# Altium PCB bogo_board.PcbDoc (part 2 of 2)
Units mm, origin at the board's own origin, x right, y up, seen from the top; angles counter-clockwise.
Board outline 100 x 100 mm, 2 copper layers (Top Layer, Bottom Layer); 192 components, 142 nets, 497 pads, 187 vias.
Unrouted connection lines stored in the file: 41.
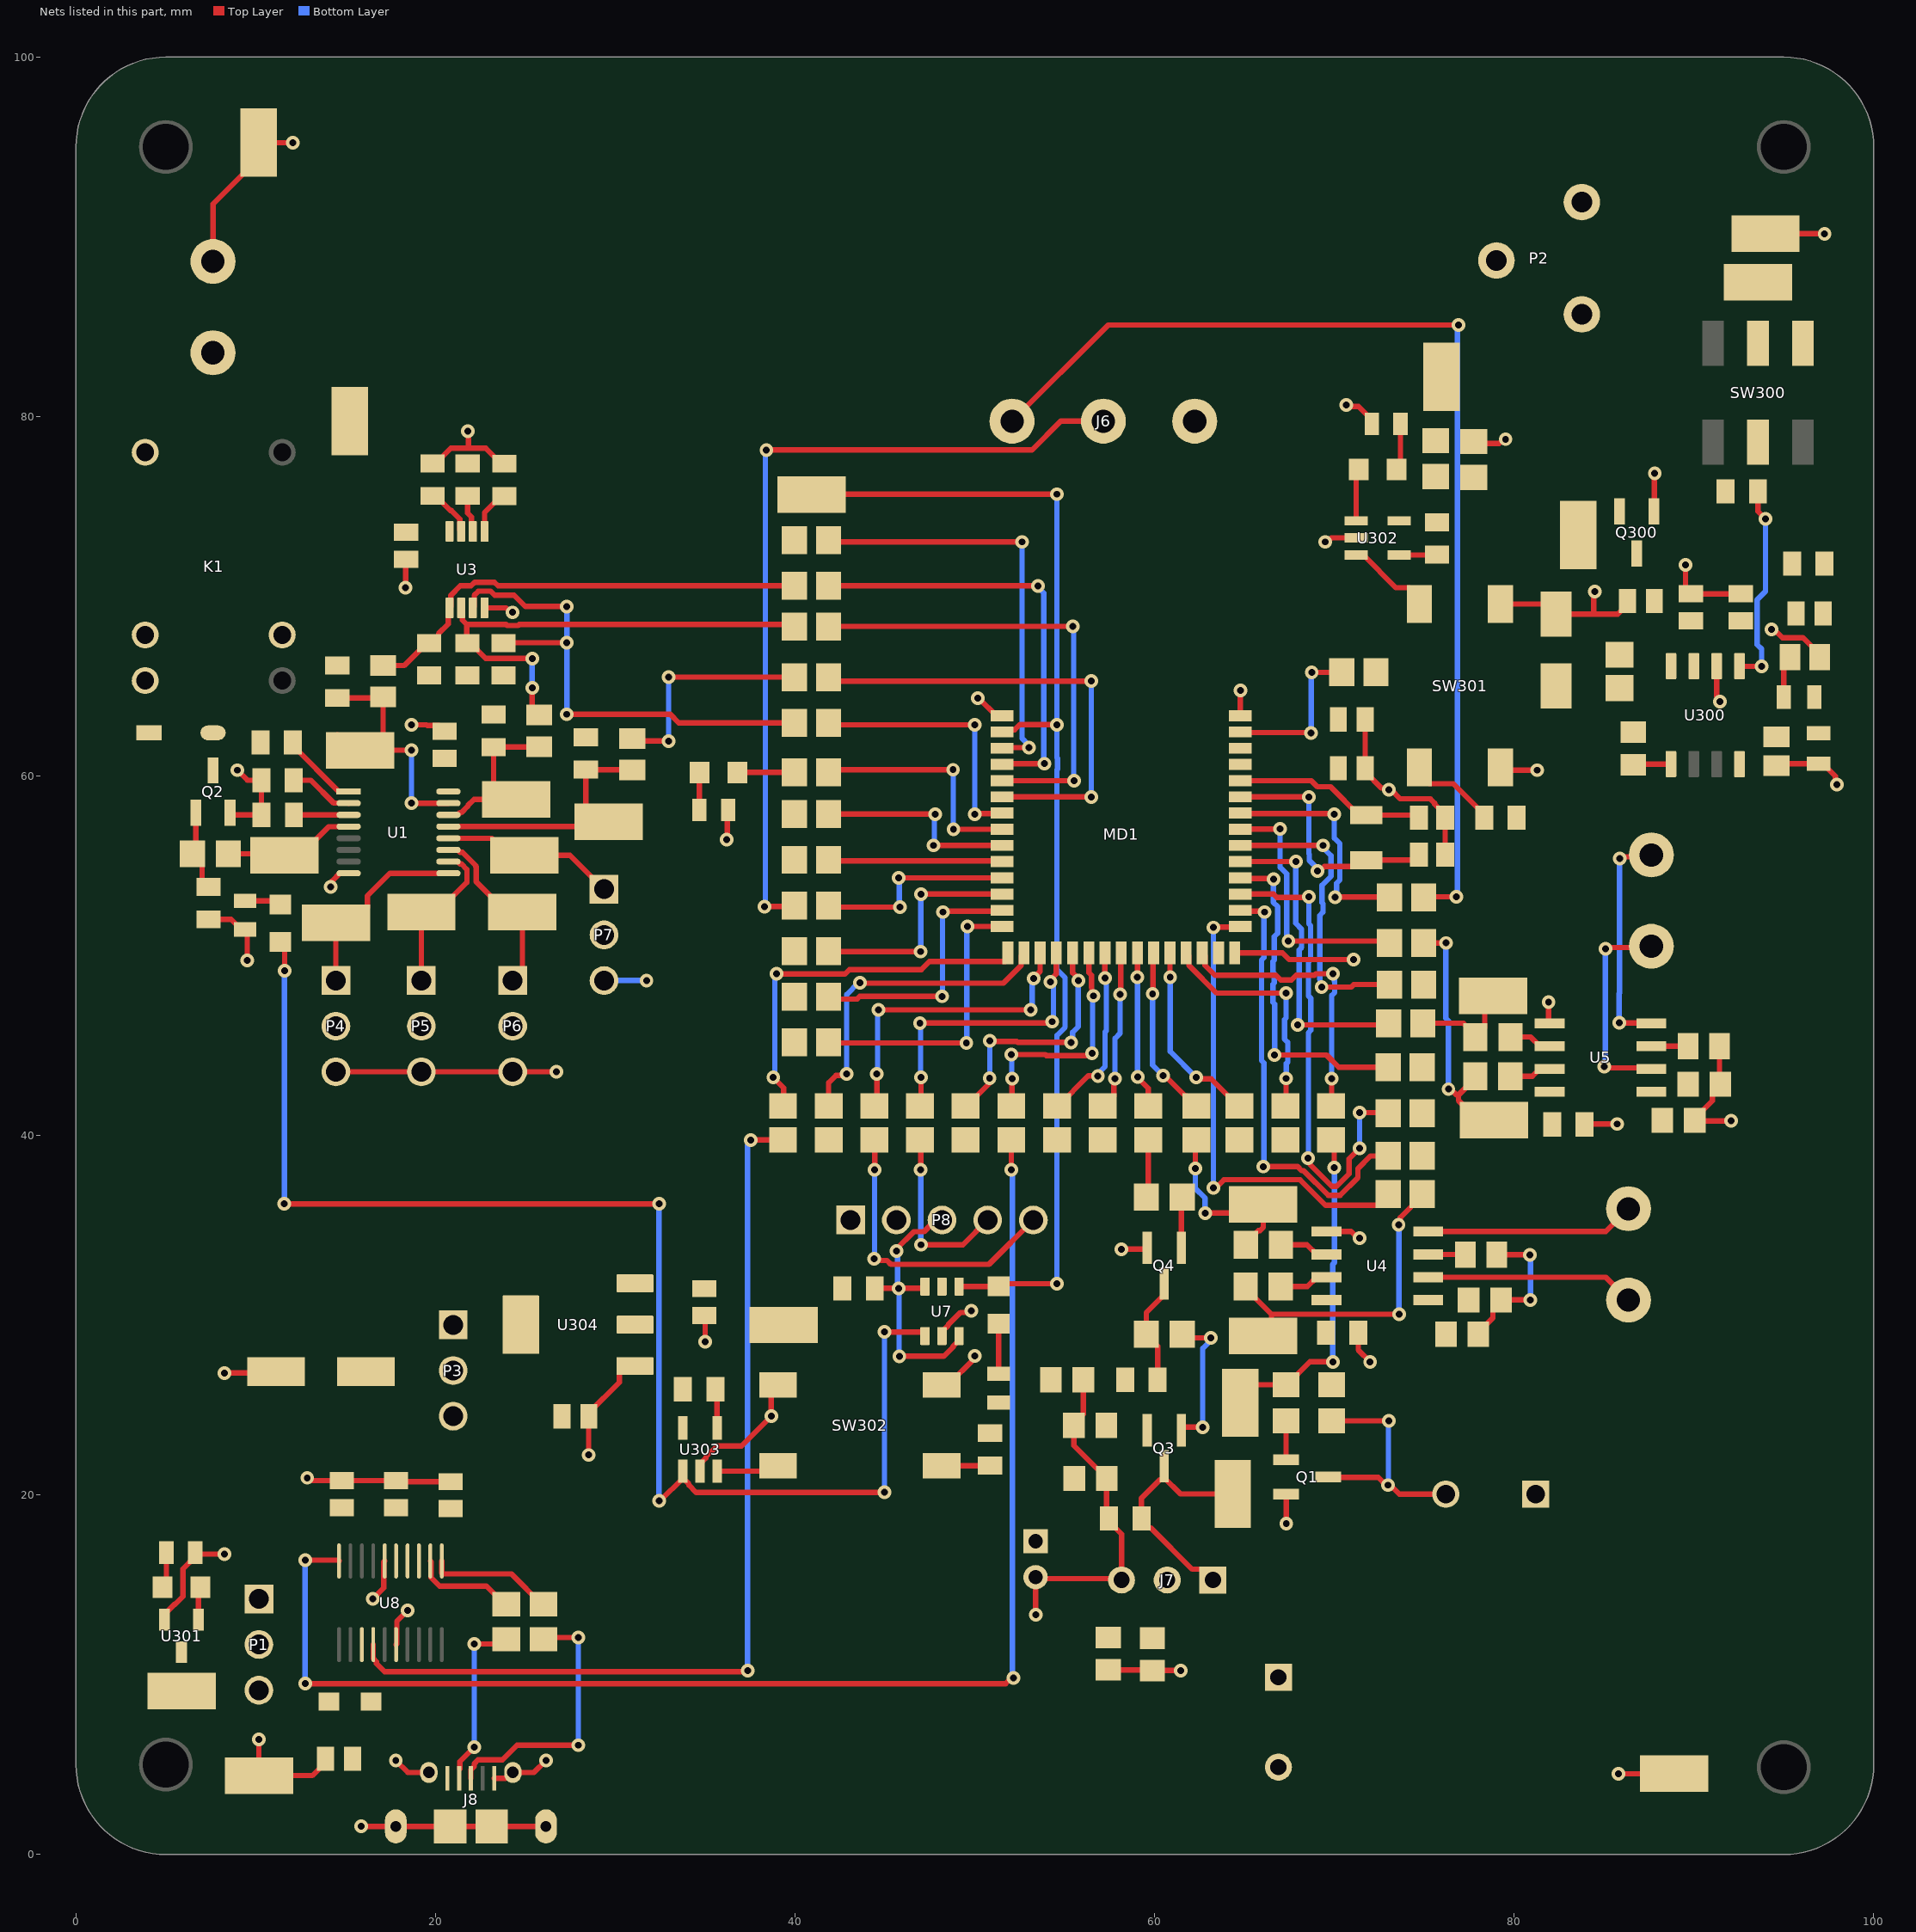
[diagram p2: the nets of this part, all layers, seen from the top]

## Part data (continued)
SW300: "C & K COMPONENTS - JS202011SCQN - SWITCH, DPDT, 0.6A, 6VDC, SMD", Actuator Color=Black, Contact Current Rating=300mA, Contact Resistance=70mR, Flammability Rating="UL94 V-2", Manufacturer 1="ITT C&K", Max Operating Temperature=85°C, Max Voltage Rating (DC)=6V, Min Operating Temperature=-20°C, Package Quantity=1, Supplier Part Number 1=401-2002-1-ND, Actuator Length=2mm, Actuator Material=Nylon,Polyamide,PA46, Actuator Type=Standard, Category="Slide Switches", ComponentLink1Description=https://datasheet.ciiva.com/2889/js-29aug13-2889127.pdf?src-supplier=Digi-Key, ComponentLink1URL=https://datasheet.ciiva.com/2889/js-29aug13-2889127.pdf?src-supplier=Digi-Key, ComponentLink2Description=https://datasheet.ciiva.com/23829/1707718-23829488.pdf?src-supplier=Newark, ComponentLink2URL=https://datasheet.ciiva.com/23829/1707718-23829488.pdf?src-supplier=Newark, ComponentLink3Description=https://datasheet.ciiva.com/8625/js-9dec14-8625470.pdf?src-supplier=Avnet, ComponentLink3URL=https://datasheet.ciiva.com/8625/js-9dec14-8625470.pdf?src-supplier=Avnet, ComponentLink4Description=https://datasheet.ciiva.com/2889/js-15sept15-2889128.pdf?src-supplier=Digi-Key, ComponentLink4URL=https://datasheet.ciiva.com/2889/js-15sept15-2889128.pdf?src-supplier=Digi-Key, ComponentLink5Description=https://datasheet.ciiva.com/2889/js-15sept15-2889129.pdf?src-supplier=Digi-Key, ComponentLink5URL=https://datasheet.ciiva.com/2889/js-15sept15-2889129.pdf?src-supplier=Digi-Key, ComponentLink6Description=https://datasheet.ciiva.com/22630/1707718-22630697.pdf?src-supplier=Element14, ComponentLink6URL=https://datasheet.ciiva.com/22630/1707718-22630697.pdf?src-supplier=Element14, Contact Material="Copper Alloy", Contact Plating=Silver, Current Rating=300mA, Depth=7.5mm, Electrical Life=5000Cycles, Housing Material=Nylon, Lead Free="Lead Free", Length=9mm, Manufacturer Part Number 1=JS202011SCQN, Max Current Rating=300mA, Mount="Surface Mount", Orientation=Vertical, Packaging="Tape and Reel", Pricing 1="1=0.55000, 10=0.53000, 25=0.51040, 100=0.44180, 250=0.40252, 500=0.37306 (USD)", Radiation Hardening=No, REACH SVHC="No SVHC", RoHS=Yes, Series=JS, Stock 1=21096, Supplier 1=Digi-Key, Switch Function=On-On, Switch Travel=2mm, Termination="Gull Wing", Throw Configuration=DPDT, Voltage Rating (DC)=6V
SW301 SW302: library part CMP-2000-05602-2, "Swicth, SPST, 24 V, -35 to 85 degC, 4-Pin SMD, RoHS, Tape and Reel", Case/Package=SMD/SMT, Color=Black, Contact Current Rating=50mA, Contact Resistance=100mOhm, Insulation Resistance=100MR, Manufacturer="TE Connectivity", Max Operating Temperature=85degC, Max Voltage Rating (DC)=12V, Min Operating Temperature=-35degC, Operating Force=1.57N, Package Description="4-Pin Surface Mount Device, Body 6 x 6 mm, Pitch 4.5 mm", Package Quantity=750, Supplier Part Number=27AC5877, Supplier Part Number 1=450-1129-ND, Voltage Rating=24V, Actuator Length=0.055inch, Actuator Material=Polyamide, Actuator Type=Standard, Case\/Package=SMD/SMT, Category="Pushbutton Switches", Contact Material=CopperAlloy, Contact Plating=Silver, Current Rating=50mA, Datasheet URL=http://www.te.com/commerce/DocumentDelivery/DDEController?Action=showdoc&DocId=Customer+Drawing%7F2-1437565-7%7FV%7Fpdf%7FEnglish%7FENG_CD_2-1437565-7_V.pdf%7F4-1437565-2, Datasheet Version="Rev. V, 02/2015", Depth=10mm, Electrical Life=100000Cycles, ELV=Compliant, Illumination Type=Illuminated, Lead Free="Lead Free", Length=6mm, Manufacturer 1="TE Connectivity", Manufacturer Part Number=FSM4JSMA, Manufacturer Part Number 1=FSM4JSMA, Manufacturer URL=http://www.te.com/, Max Current Rating=50mA, Mechanical Life=100000Cycles, Mount=SurfaceMount, Mounting Technology=SurfaceMount, Orientation=Straight, Package Reference=FSM4JSMA, Packaging=LoosePiece, Pricing="1=0.292, 10=0.274, 25=0.255, 100=0.232, 500=0.2, 1000=0.166 (USD)", Pricing 1="1=0.27000, 10=0.26300, 25=0.24960, 100=0.22600, 250=0.20604, 750=0.19152, 1500=0.16339, 3000=0.15885, 5250=0.14977 (USD)", Radiation Hardening=No, REACH SVHC=Unknown, Reach SVHC Compliant=Unknown, RoHS=Yes, RoHS Compliant=Yes, RoHSCompliant=true, Series=FSMJSMA, Stock=46743, Stock 1=65608, Supplier=Newark, Supplier 1=Digi-Key, Switch Function=Off-Mom, Switch Travel=0.25mm, Termination=GullWing, Throw Configuration=SPST, Voltage Rating (DC)=24V, Width=6mm
U1: library part CMP-04886-000003-2, "IC I/O EXPANDER I2C 8B 16TSSOP", Case/Package=TSSOP, Frequency=400kHz, Manufacturer 1="Texas Instruments", Max Operating Temperature=85°C, Min Operating Temperature=-40°C, Supplier Part Number 1=296-40574-1-ND, Category="Interface ICs", ComponentLink1Description=https://datasheet.ciiva.com/48508/tca9534-48508117.pdf?src-supplier=Avnet, ComponentLink1URL=https://datasheet.ciiva.com/48508/tca9534-48508117.pdf?src-supplier=Avnet, Interface=I2C, Lead Free="Lead Free", Manufacturer Part Number 1=TCA9534PWR, Mount="Surface Mount", Number of I/Os=8, Number of Outputs=8, Number of Pins=16, Packaging="Tape and Reel", Pricing 1="1=1.45000, 10=1.29500, 25=1.22880, 100=1.00930, 250=0.94352, 500=0.83380, 1000=0.66240 (USD)", RoHS=Yes, RoHS Compliant=Yes, Stock 1=63981, Supplier 1=Digi-Key
U2: "No Description Available", Mfr_Name=TDK, Copyright="Copyright (C) 2023 Ultra Librarian. All rights reserved.", Manufacturer_Part_Number=PS1440P02BT, RefDes=RefDes, Type=DEV
U3: library part CMP-0066-00292-3, "Digital Temperature Sensor and Thermal Watchdog with Two-Wire Interface, 8-pin Mini SOIC, Pb-Free", Manufacturer="Texas Instruments", PackageTopMarking=ZXTT*T00A, PowerWise=N, Code_JEDEC=MO-187-AA, ComponentLink1Description="Datasheet URL", ComponentLink1URL=http://www.ti.com/general/docs/lit/getliterature.tsp?genericPartNumber=LM75A&fileType=pdf, CompType="Temp Sensor IC", PackageDescription="MINI SOIC, .118 x .118 x .034in, 8 Lead, .0256in Pitch", PackageReference=DGK0008A, PinCount=8, RoHS=Y
U4 U5: "No Description Available", Mfr_Name="Texas Instruments", Copyright="Copyright (C) 2023 Ultra Librarian. All rights reserved.", Manufacturer_Part_Number=DRV8251DDAR, RefDes=RefDes, Type=DEV
U6: "Bucky Badger Image", Manufacturer Part Number="UW Bucky"
U7: library part CMP-0859-00236-3, "Single 3-Input Positive-AND Gate, DBV0006A, LARGE T&R", Case/Package=SOT-23, F @ Nom Voltage(Max)(Mhz)=150, Generic Part Number=SN74LVC1G11, High Level Output Current=-32mA, ICC @ Nom Voltage(Max)(mA)=0.01, Low Level Output Current=32mA, Manufacturer="Texas Instruments", Max Operating Temperature=125°C, Max Supply Voltage=5.5V, Min Operating Temperature=-40°C, Min Supply Voltage=1.65V, Operating Temperature Range(C)="-40 to 125,-40 to 85", Quiescent Current=10uA, Rating=Catalog, Supplier Part Number=29AH7598, tpd @ Nom Voltage(Max)(ns)=20,7.8,6.2,4.6, Voltage(Nom)(V)=1.8,2.5,3.3,5, 3-State Output=No, Bits(#)=1, Category="Logic Gates", ComponentLink1Description=https://datasheet.ciiva.com/1864/sn74lvc1g11-1864480.pdf?src-supplier=Digi-Key, ComponentLink1URL=https://datasheet.ciiva.com/1864/sn74lvc1g11-1864480.pdf?src-supplier=Digi-Key, ComponentLink2Description=https://datasheet.ciiva.com/6124/1775276-6124474.pdf?src-supplier=Farnell, ComponentLink2URL=https://datasheet.ciiva.com/6124/1775276-6124474.pdf?src-supplier=Farnell, ComponentLink3Description=https://datasheet.ciiva.com/1864/sn74lvc1g11-1864479.pdf?src-supplier=Digi-Key, ComponentLink3URL=https://datasheet.ciiva.com/1864/sn74lvc1g11-1864479.pdf?src-supplier=Digi-Key, ComponentLink4Description=https://datasheet.ciiva.com/1864/sn74lvc1g11-1864481.pdf?src-supplier=Digi-Key, ComponentLink4URL=https://datasheet.ciiva.com/1864/sn74lvc1g11-1864481.pdf?src-supplier=Digi-Key, ComponentLink5Description=https://datasheet.ciiva.com/14290/sn74lvc1g11-14290741.pdf?src-supplier=Avnet, ComponentLink5URL=https://datasheet.ciiva.com/14290/sn74lvc1g11-14290741.pdf?src-supplier=Avnet, ComponentLink6Description=https://datasheet.ciiva.com/46384/1882071-46384382.pdf?src-supplier=Element14, ComponentLink6URL=https://datasheet.ciiva.com/46384/1882071-46384382.pdf?src-supplier=Element14, ComponentLink7Description=https://datasheet.ciiva.com/7783/1775276-7783594.pdf?src-supplier=Element14, ComponentLink7URL=https://datasheet.ciiva.com/7783/1775276-7783594.pdf?src-supplier=Element14, ComponentLink8Description=https://datasheet.ciiva.com/7783/1775276-7783595.pdf?src-supplier=Element14, ComponentLink8URL=https://datasheet.ciiva.com/7783/1775276-7783595.pdf?src-supplier=Element14, DatasheetVersion=SCES487F, Gate Type=AND, Input Type=CMOS/TTL, Lead Free="Lead Free", Logic=True, Logic Function="AND GATE", Manufacturer Part Number=SN74LVC1G11DBVR, Max Output current=32mA, Mounting Technology="Surface Mount", Number of Bits=1, Number of Circuits=1, Number of Elements=1, Number of Gates=1, Number of Input Lines=3, Number of Inputs=3, Number of Output Lines=1, Number of Outputs=1, Output Current=32mA, Output Drive (IOL/IOH)(Max)(mA)=32/-32, Output Type=CMOS, PackageReference=DBV0006A, Packaging="Tape and Reel", Pins=6, Pricing="1=0.398, 5=0.398, 10=0.326, 25=0.298, 50=0.26, 100=0.221, 250=0.211, 500=0.206, 1000=0.203 (USD)", Propagation Delay=3.5ns, Radiation Hardening=No, Reach SVHC Compliant=No, RoHS=Yes, RoHS Compliant=Yes, Schmitt Trigger=No, Series=74LVC, Sub-Family="AND Gate", Supplier=Newark, Technology=CMOS, Technology Family=LVC, Termination=SMD/SMT, Turn-On Delay Time=4.9ns, VCC(Max)(V)=5.5, VCC(Min)(V)=1.65, Weight=0.000229oz
U8: library part CMP-0248-00015-2, "USB to Full-Handshake UART Interface Chip, UHCI/OHCI/EHCI Compatible, USB 2.0 Compatible, -40 to +85 degC, 20-Pin SSOP, Pb-Free, Tube", Case/Package=SSOP, Manufacturer=FTDI, Manufacturer Part Number=FT231XS-R, Max Operating Temperature=85°C, Max Supply Voltage=5.5V, Min Operating Temperature=-40°C, Min Supply Voltage=2.97V, Operating Supply Current=8mA, Operating Supply Voltage=5V, Package Quantity=1, Supplier Part Number=83T7089, Category="Interface ICs", ComponentLink1Description=https://datasheet.ciiva.com/30478/0900766b811020d3-30478147.pdf?src-supplier=Rs, ComponentLink1URL=https://datasheet.ciiva.com/30478/0900766b811020d3-30478147.pdf?src-supplier=Rs, ComponentLink2Description=https://datasheet.ciiva.com/1787/ft-x-series-1787028.pdf?src-supplier=Digi-Key, ComponentLink2URL=https://datasheet.ciiva.com/1787/ft-x-series-1787028.pdf?src-supplier=Digi-Key, ComponentLink3Description=https://datasheet.ciiva.com/1787/ft-x-series-1787029.pdf?src-supplier=Digi-Key, ComponentLink3URL=https://datasheet.ciiva.com/1787/ft-x-series-1787029.pdf?src-supplier=Digi-Key, ComponentLink4Description=https://datasheet.ciiva.com/1787/ft-x-series-1787030.pdf?src-supplier=Digi-Key, ComponentLink4URL=https://datasheet.ciiva.com/1787/ft-x-series-1787030.pdf?src-supplier=Digi-Key, ComponentLink5Description=https://datasheet.ciiva.com/48909/70403932-48909078.pdf?src-supplier=Allied+Electronics, ComponentLink5URL=https://datasheet.ciiva.com/48909/70403932-48909078.pdf?src-supplier=Allied+Electronics, Data Rate=12Mbps, Height=0.059inch, Interface=UART,USB, Length=8.74mm, Mounting Technology="Surface Mount", Number of Channels=1, Packaging="Tape and Reel", Pins=20, Pricing="1=3.09, 25=2.65, 100=2.58, 250=2.33 (USD)", Radiation Hardening=No, RoHS=Yes, RoHS Compliant=Yes, Series="USBmadeEZ-UART, FT-X, X-Chip", Stock=31663, Supplier=Newark, Weight=0.016oz, Width=0.157inch
U300: library part CMP-0323-00191-3, "Buck Step Down Regulator with 5.5 to 36 V Input and 1.23 to 31 V Output, -40 to 125 degC, 8-Pin SOIC (D), Green (RoHS & no Sb/Br)", Case/Package=SOP, Frequency=600kHz, Manufacturer="Texas Instruments", Max Operating Temperature=125°C, Max Output current=1.8A, Max Supply Voltage=36V, Min Input Voltage=5.5V, Min Operating Temperature=-40°C, Package Body Material=Plastic, Package Equivalence Code=SOP8,.25, Package Shape=Rectangular, Package Style="SMALL OUTLINEMeter", Peak Reflow Temperature (Cel)=260°C, Rating=Catalog, Supplier Part Number=296-20787-5-ND, Switch Current Limit(Typ)(A)=1.2, Temperature Grade=AUTOMOTIVE, Category="Voltage Regulators - Switching", Channels=1, Code_JEDEC=MS-012AA, ComponentLink1Description=Datasheet, ComponentLink1URL=http://www.ti.com/general/docs/lit/getliterature.tsp?genericPartNumber=TPS5410&fileType=pdf, ComponentLink2Description="Package Specification", ComponentLink2URL=http://www.ti.com/litv/pdf/msoi002j, ComponentLink3Description="URL Link1", ComponentLink3URL="Samples URL:http://www.ti.com/product/tps5410#samples", ComponentLink4Description=https://www.ti.com:443/lit/ds/symlink/tps5410.pdf?src-supplier=IHS+Markit, ComponentLink4URL=https://www.ti.com:443/lit/ds/symlink/tps5410.pdf?src-supplier=IHS+Markit, ComponentLink5Description=https://datasheet.ciiva.com/15113/getdatasheetpartid-224296-15113874.pdf?src-supplier=Verical, ComponentLink5URL=https://datasheet.ciiva.com/15113/getdatasheetpartid-224296-15113874.pdf?src-supplier=Verical, ComponentLink6Description=https://datasheet.ciiva.com/2026/tps5410-2026736.pdf?src-supplier=Digi-Key, ComponentLink6URL=https://datasheet.ciiva.com/2026/tps5410-2026736.pdf?src-supplier=Digi-Key, ComponentLink7Description=https://datasheet.ciiva.com/27056/2003563-27056017.pdf?src-supplier=Jameco, ComponentLink7URL=https://datasheet.ciiva.com/27056/2003563-27056017.pdf?src-supplier=Jameco, ComponentLink8Description=https://datasheet.ciiva.com/7993/1851017-7993797.pdf?src-supplier=Element14, ComponentLink8URL=https://datasheet.ciiva.com/7993/1851017-7993797.pdf?src-supplier=Element14, Control Mode=VOLTAGE-MODE, Control Technique="PULSE WIDTH MODULATION", DatasheetVersion=SLVS675A, Duty Cycle(Max)(%)=87.5, Eco-Plan="Green (RoHS & no Sb/Br)", Height - Seated (Max)=1.75mm, Iout(Max)(A)=1, Iq(Typ)(mA)=3, JESD-30 Code=R-PDSO-G8, JESD-609 Code=e4, Length=4.9mm, Manufacturer Part Number=TPS5410D, Moisture Sensitivity Level=2, Mounting Technology="Surface Mount", PackageDescription="8-Pin Plastic Small Outline Integrated Circuit, 4.9 x 3.9 mm, Pitch 1.27 mm Pitch", PackageReference=D0008A, PackageVersion="revM, Jun-2011", PartNumber=TPS5410D, Pins=8, Pricing="1=3.42, 10=3.072, 25=2.9044, 100=2.517, 250=2.38796, 500=2.1427, 1000=1.80709, 2500=1.71674, 5000=1.6522 (USD)", Qualification Status="Not Qualified", Reach SVHC Compliant=Yes, Regulated Outputs(#)=1, RoHS=Yes, RoHS Compliant=Yes, Stock=6339, SubFamily="Step-Down Regulator", Supplier=Digi-Key, Surface Mount=Yes, Switcher Configuration=BUCK, Terminal Finish=Nickel, Terminal Form="Gull Wing", Terminal Pitch=1.27mm, Terminal Position=DUAL, Throw Configuration="SWITCHING REGULATOR", Topology=Buck, Vin(Max)(V)=36, Vin(Min)(V)=5.5, Vout(Max)(V)=31, Vout(Min)(V)=1.23, Width=3.9mm
U301: library part CMP-0130-00073-1, "1.75Î¼A Micropower Voltage Detector, Push-Pull Output, 4.63V, 3-Pin SOT-23, Extended Temperature, Tape and Reel", Case/Package=TSSOP, Manufacturer=Microchip, Max Operating Temperature=125°C, Max Supply Voltage=5.5V, Min Operating Temperature=-40°C, Min Supply Voltage=1V, Package Body Material=Plastic, Package Equivalence Code=TO-236, Package Shape=Rectangular, Package Style="SMALL OUTLINE, THIN PROFILE, SHRINK PITCHMeter", Peak Reflow Temperature (Cel)=260°C, Power Supplies=1/5.5V, Supplier Part Number=MCP112T-475E/TTCT-ND, Supply Current-Max (Isup)=1.75uA, Temperature Grade=AUTOMOTIVE, Threshold Voltage-Nom=4.63V, Time @ Peak Reflow Temperature-Max (s)=40s, Adjustable Threshold=No, Category="Voltage Supervisors", Channels=1, Code_IPC=SOT23-3, ComponentLink1Description=https://datasheet.ciiva.com:443/pdfs/VipMasterIC/IC/MCHP/MCHP-S-A0002312823/MCHP-S-A0002312823-1.pdf?src-supplier=IHS+Markit, ComponentLink1URL=https://datasheet.ciiva.com:443/pdfs/VipMasterIC/IC/MCHP/MCHP-S-A0002312823/MCHP-S-A0002312823-1.pdf?src-supplier=IHS+Markit, ComponentLink2Description=https://datasheet.ciiva.com/1974/21889d-1974510.pdf?src-supplier=Digi-Key, ComponentLink2URL=https://datasheet.ciiva.com/1974/21889d-1974510.pdf?src-supplier=Digi-Key, ComponentLink3Description=https://datasheet.ciiva.com/1974/21889d-1974511.pdf?src-supplier=Digi-Key, ComponentLink3URL=https://datasheet.ciiva.com/1974/21889d-1974511.pdf?src-supplier=Digi-Key, ComponentLink4Description=https://datasheet.ciiva.com/1974/21889d-1974512.pdf?src-supplier=Digi-Key, ComponentLink4URL=https://datasheet.ciiva.com/1974/21889d-1974512.pdf?src-supplier=Digi-Key, ComponentLink5Description=https://datasheet.ciiva.com/9215/21889d-9215465.pdf?src-supplier=Avnet, ComponentLink5URL=https://datasheet.ciiva.com/9215/21889d-9215465.pdf?src-supplier=Avnet, ComponentLink6Description=https://datasheet.ciiva.com/1170/21889d-1170331.pdf?src-supplier=Element14, ComponentLink6URL=https://datasheet.ciiva.com/1170/21889d-1170331.pdf?src-supplier=Element14, DatasheetVersion="revD, Jun-2005", Height - Seated (Max)=1.12mm, JESD-30 Code=R-PDSO-G3, JESD-609 Code=e3, Length=2.92mm, Manufacturer Part Number=MCP112T-475E/TT, Moisture Sensitivity Level=1, Number of Channels=1, PackageDescription="3-Lead Plastic Small Outline Transistor (TT) [SOT-23]", PackageReference=SOT-23-TT3, PackageVersion="revBB, Aug-2009", Pins=3, Pricing="1=0.6, 25=0.5, 100=0.46 (USD)", Qualification Status="Not Qualified", Reach SVHC Compliant=Yes, RoHS=Yes, RoHS Compliant=Yes, Stock=2856, Supplier=Digi-Key, Surface Mount=Yes, Terminal Finish=Tin, Terminal Form="Gull Wing", Terminal Pitch=0.96mm, Terminal Position=DUAL, Throw Configuration="POWER SUPPLY SUPPORT CIRCUIT", Width=1.3mm
U302 U303: library part CMP-0138-00207-1, "Voltage Supervisor, 5-Pin SOT-23, Extended Temperature, Tape and Reel", Case/Package=SOT-23, Manufacturer=Microchip, Max Operating Temperature=125°C, Max Output current=10mA, Max Power Dissipation=240mW, Max Reset Threshold Voltage=2.944V, Max Supply Current=10uA, Max Supply Voltage=5.5V, Min Operating Temperature=-40°C, Min Reset Threshold Voltage=2.857V, Min Supply Voltage=1V, Number of Voltages Monitored=1, Package Quantity=3000, Quiescent Current=1uA, Supplier Part Number=34M7402, Threshold Voltage=2.9V, Category="Voltage Supervisors", Code_IPC=SOT23-5, ComponentLink1Description=https://datasheet.ciiva.com/1969/21985d-1969832.pdf?src-supplier=Digi-Key, ComponentLink1URL=https://datasheet.ciiva.com/1969/21985d-1969832.pdf?src-supplier=Digi-Key, ComponentLink2Description=https://datasheet.ciiva.com/1969/21985d-1969833.pdf?src-supplier=Digi-Key, ComponentLink2URL=https://datasheet.ciiva.com/1969/21985d-1969833.pdf?src-supplier=Digi-Key, ComponentLink3Description=https://datasheet.ciiva.com/14562/70045388-14562791.pdf?src-supplier=Allied+Electronics, ComponentLink3URL=https://datasheet.ciiva.com/14562/70045388-14562791.pdf?src-supplier=Allied+Electronics, ComponentLink4Description=https://datasheet.ciiva.com/8140/21985c-8140440.pdf?src-supplier=Avnet, ComponentLink4URL=https://datasheet.ciiva.com/8140/21985c-8140440.pdf?src-supplier=Avnet, DatasheetVersion="revB, Oct-2007", Height=1.3mm, Lead Free="Lead Free", Length=3.1mm, Manufacturer Part Number=MCP1316T-29LE/OT, Mounting Technology="Surface Mount", Number of Elements=1, Operating Supply Current=10uA, Output=TOTEM-POLE, Overvoltage Threshold=2.944V, PackageDescription="5-Lead Plastic Small Outline Transistor (OT) [SOT-23]", PackageReference=SOT-23-OT5, PackageVersion="revBB, Aug-2009", Packaging="Tape and Reel", Pins=5, Power Dissipation=240mW, Pricing="1=0.877, 10=0.805, 25=0.732 (USD)", Radiation Hardening=No, Reach SVHC Compliant=No, Reset="Active Low", Reset Timeout=140ms, RoHS=Yes, RoHS Compliant=Yes, Stock=8598, Supplier=Newark, Supply Current=10uA, Termination=SMD/SMT, Type="Simple Reset/Power-On Reset", Undervoltage Threshold=2.857V, Watchdog Timer=Yes, Width=1.8mm
U304: library part CMP-0395-00499-2, "Single Output LDO, 1 A, Fixed 3.3 V Output, 2 to 5.5 V Input, 4-pin SOT-223 (DCY), -40 to 125 degC, Green (RoHS & no Sb/Br)", Case/Package=SOT-223, Dropout Voltage=455mV, Manufacturer="Texas Instruments", Manufacturer Part Number=TLV1117-33CDCYR, Max Input Voltage=5.5V, Max Operating Temperature=125°C, Max Output current=1A, Max Output Voltage=3.3V, Max Power Dissipation=1.59W, Max Supply Voltage=15V, Min Current Limit=1.1A, Min Input Voltage=2V, Min Operating Temperature=-40°C, Output Voltage Accuracy=1.5%, Package Quantity=250, Power Supply Rejection Ratio (PSRR)=75dB, Quiescent Current=50uA, Supplier Part Number=29AH1523, Supplier Part Number 1=296-35976-1-ND, Accuracy=2%, Accuracy(%)=2, Category="Voltage Regulators - Linear", Code_JEDEC=TO-261, ComponentLink1Description="Manufacturer URL", ComponentLink1URL=http://www.ti.com/, ComponentLink2Description=Datasheet, ComponentLink2URL=http://www.ti.com/general/docs/lit/getliterature.tsp?genericPartNumber=TLV1117LV33&fileType=pdf, ComponentLink3Description="Package Specification", ComponentLink3URL=http://www.ti.com/litv/pdf/mpds094a, ComponentLink4Description=http://www.ti.com/general/docs/lit/getliterature.tsp?genericPartNumber=TLV1117LV&&fileType=pdf&src-supplier=Farnell, ComponentLink4URL=http://www.ti.com/general/docs/lit/getliterature.tsp?genericPartNumber=TLV1117LV&&fileType=pdf&src-supplier=Farnell, ComponentLink5Description=http://www.farnell.com/datasheets/1950591.pdf?src-supplier=Element14, ComponentLink5URL=http://www.farnell.com/datasheets/1950591.pdf?src-supplier=Element14, ComponentLink6Description=http://www.ti.com/lit/ds/symlink/tlv1117lv.pdf?src-supplier=Digi-Key, ComponentLink6URL=http://www.ti.com/lit/ds/symlink/tlv1117lv.pdf?src-supplier=Digi-Key, ComponentLink7Description=http://www.ti.com/general/docs/suppproductinfo.tsp?distId=10&amp;gotoUrl=http%3A%2F%2Fwww.ti.com%2Flit%2Fgpn%2Ftlv1117lv&src-supplier=Digi-Key, ComponentLink7URL=http://www.ti.com/general/docs/suppproductinfo.tsp?distId=10&amp;gotoUrl=http%3A%2F%2Fwww.ti.com%2Flit%2Fgpn%2Ftlv1117lv&src-supplier=Digi-Key, ComponentLink8Description=http://www.ti.com/lit/gpn/tlv1117lv?src-supplier=Mouser, ComponentLink8URL=http://www.ti.com/lit/gpn/tlv1117lv?src-supplier=Mouser, ComponentLink9Description=http://www.ti.com/general/docs/lit/getliterature.tsp?genericPartNumber=TLV1117LV&&fileType=pdf&src-supplier=Avnet, ComponentLink9URL=http://www.ti.com/general/docs/lit/getliterature.tsp?genericPartNumber=TLV1117LV&&fileType=pdf&src-supplier=Avnet, ComponentLink10Description=http://components.arrow.com/part/dataview/51117919S8954709N7713?src-supplier=Arrow+Electronics, ComponentLink10URL=http://components.arrow.com/part/dataview/51117919S8954709N7713?src-supplier=Arrow+Electronics, ComponentLink11Description=http://www.ti.com/general/docs/lit/getliterature.tsp?genericPartNumber=TLV1117-33&amp;&amp;fileType=pdf&src-supplier=Newark, ComponentLink11URL=http://www.ti.com/general/docs/lit/getliterature.tsp?genericPartNumber=TLV1117-33&amp;&amp;fileType=pdf&src-supplier=Newark, ComponentLink12Description=http://www.ti.com/general/docs/suppproductinfo.tsp?distId=10&amp;gotoUrl=http%3A%2F%2Fwww.ti.com%2Flit%2Fgpn%2Ftlv1117&src-supplier=Digi-Key, ComponentLink12URL=http://www.ti.com/general/docs/suppproductinfo.tsp?distId=10&amp;gotoUrl=http%3A%2F%2Fwww.ti.com%2Flit%2Fgpn%2Ftlv1117&src-supplier=Digi-Key, Contact Plating=Tin, DatasheetVersion=SBVS160A, Eco-Plan="Green (RoHS & no Sb/Br)", Fixed Output Options(V)=3.3, Iout(Max)(A)=1, Iq(Typ)(mA)=0.05, Lead Free="Lead Free", Manufacturer 1="Texas Instruments", Manufacturer Part Number 1=TLV1117LV33DCYT, Min Output Voltage=3.3V, Mounting Technology="Surface Mount", Nominal Output Voltage=3.3V, Number of Outputs=1, Number of Pins=4, Number of Regulators=1, Output Configuration=Positive, Output Current=1A, Output Type=Fixed, Output Voltage=3.3V, PackageDescription="4-Pin Plastic Small Outline, Body 3.5 x 6.5 mm, Pitch 2.3 mm", PackageReference=DCY0004A, PackageVersion=4202506/B, Packaging="Tape and Reel", PartNumber=TLV1117LV33DCYT, Pins=3, Polarity=Positive, Power Dissipation=1.59W, Pricing="1=0.965, 10=0.923, 25=0.877, 50=0.839, 100=0.803, 250=0.777, 500=0.759, 1000=0.746 (USD)", Pricing 1="1=1.15000, 10=1.02600, 25=0.97360, 100=0.79970 (USD)", Radiation Hardening=No, Reach SVHC Compliant=Yes, RoHS=Yes, RoHS Compliant=Yes, Series=-, Stock 1=1411, SubFamily="Single Channel LDO", Supplier=Newark, Supplier 1=Digi-Key, Vdo(Typ)(mV)=1200, Vin(Max)(V)=5.5, Vin(Min)(V)=2, Vout Adj(Max)(V)=3.3, Vout Adj(Min)(V)=3.3
Y1: library part CMP-2000-07587-2, "CRYSTAL 32.7680KHZ 6PF SMD", Case/Package=SMD/SMT, ESR (Equivalent Series Resistance)=55kR, Frequency=32.768kHz, Frequency Tolerance=20ppm, Load Capacitance=6pF, Manufacturer=Abracon, Manufacturer Part Number=ABS07-120-32.768KHZ-T, Max Operating Temperature=85°C, Min Operating Temperature=-40°C, Operating Frequency="32.768 kHz", Package Quantity=3000, Supplier Part Number=56AC7523, Category=Crystals, ComponentLink1Description=https://datasheet.ciiva.com/6728/abs07-120-32-768khz-t-6728893.pdf?src-supplier=Digi-Key, ComponentLink1URL=https://datasheet.ciiva.com/6728/abs07-120-32-768khz-t-6728893.pdf?src-supplier=Digi-Key, ComponentLink2Description=https://datasheet.ciiva.com/12387/abs07-120-32-768khz-t-218607-12387629.pdf?src-supplier=Mouser, ComponentLink2URL=https://datasheet.ciiva.com/12387/abs07-120-32-768khz-t-218607-12387629.pdf?src-supplier=Mouser, Depth=1.5mm, ESR=60kR, Height=0.9mm, Lead Free="Lead Free", Length=3.2mm, Mounting Technology="Surface Mount", Packaging="Tape and Reel", Pins=2, Pricing="1=0.587, 25=0.587, 50=0.587, 100=0.587, 250=0.587, 500=0.587, 1000=0.532 (USD)", Radiation Hardening=No, Reach SVHC Compliant=No, RoHS=Yes, RoHS Compliant=Yes, Series=ABS07, Stock=20747, Supplier=Newark, Termination=SMD/SMT, Tolerance=20ppm, Width=1.5mm

## Via types
v1: diameter 0.762, hole 0.381, Top Layer to Bottom Layer, 187 vias
